# Altium PCB Dashboard C1.PcbDoc
Units mm, origin at the board's own origin, x right, y up, seen from the top; angles counter-clockwise.
Board outline 96.6 x 57.87 mm, 2 copper layers (Top Layer, Bottom Layer); 61 components, 40 nets, 203 pads, 38 vias.
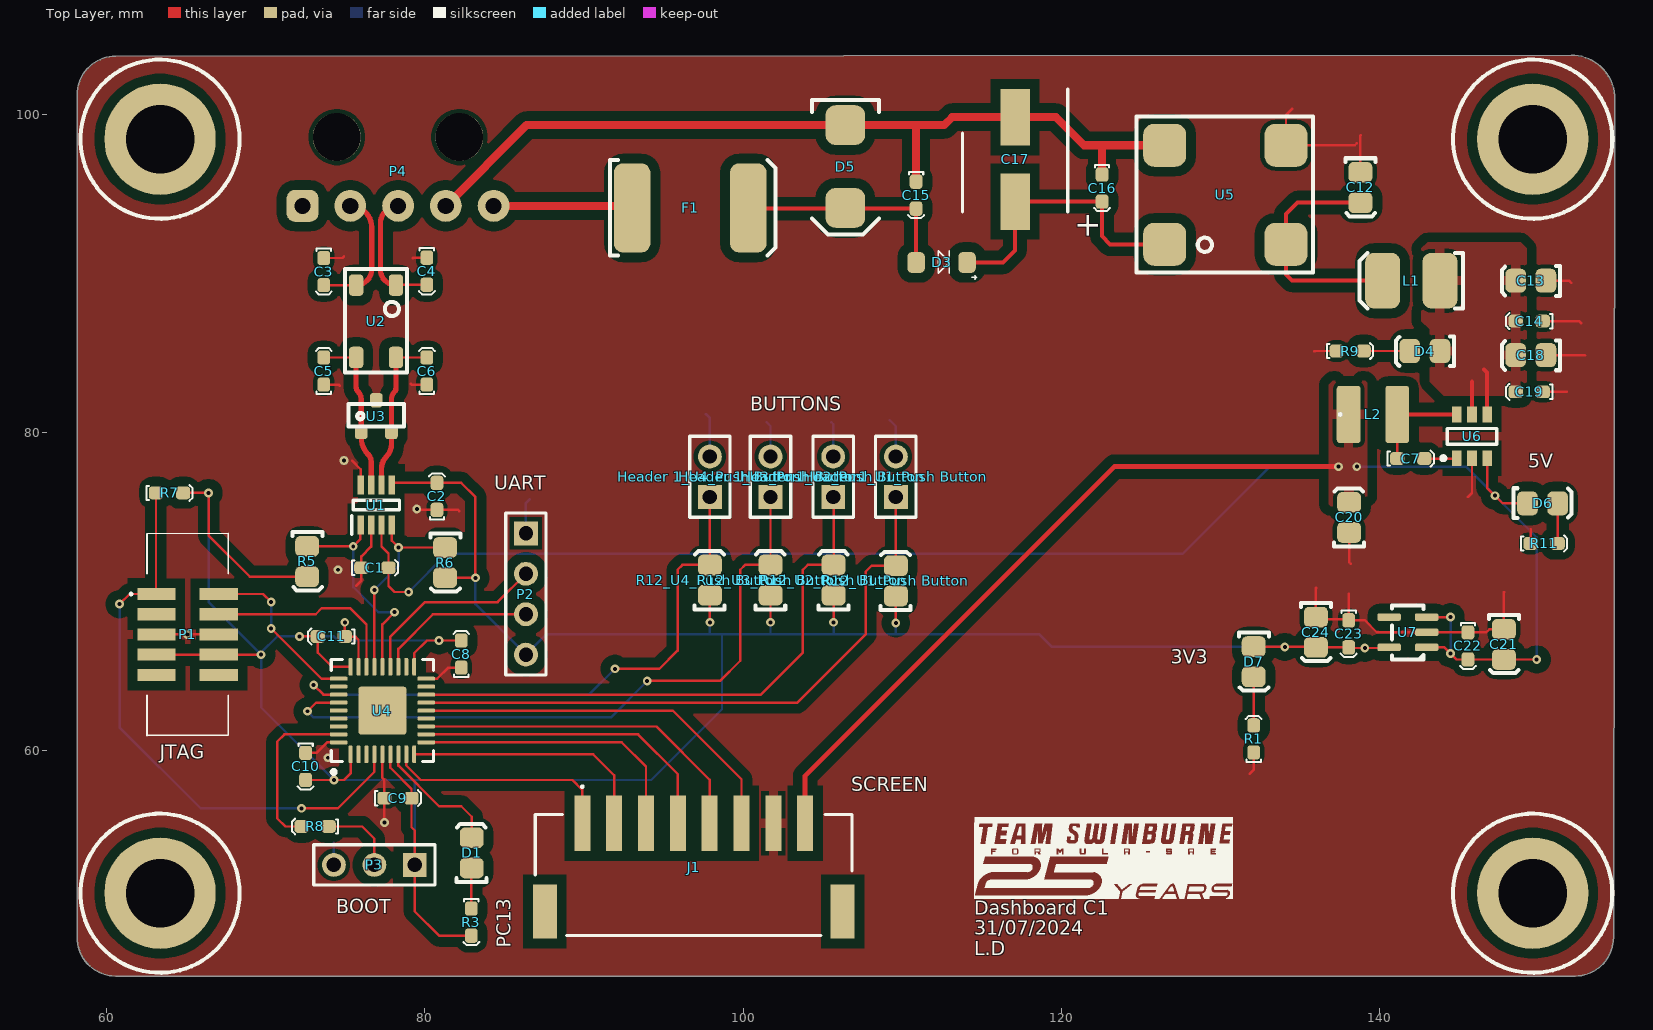
[diagram p0: Top Layer view]
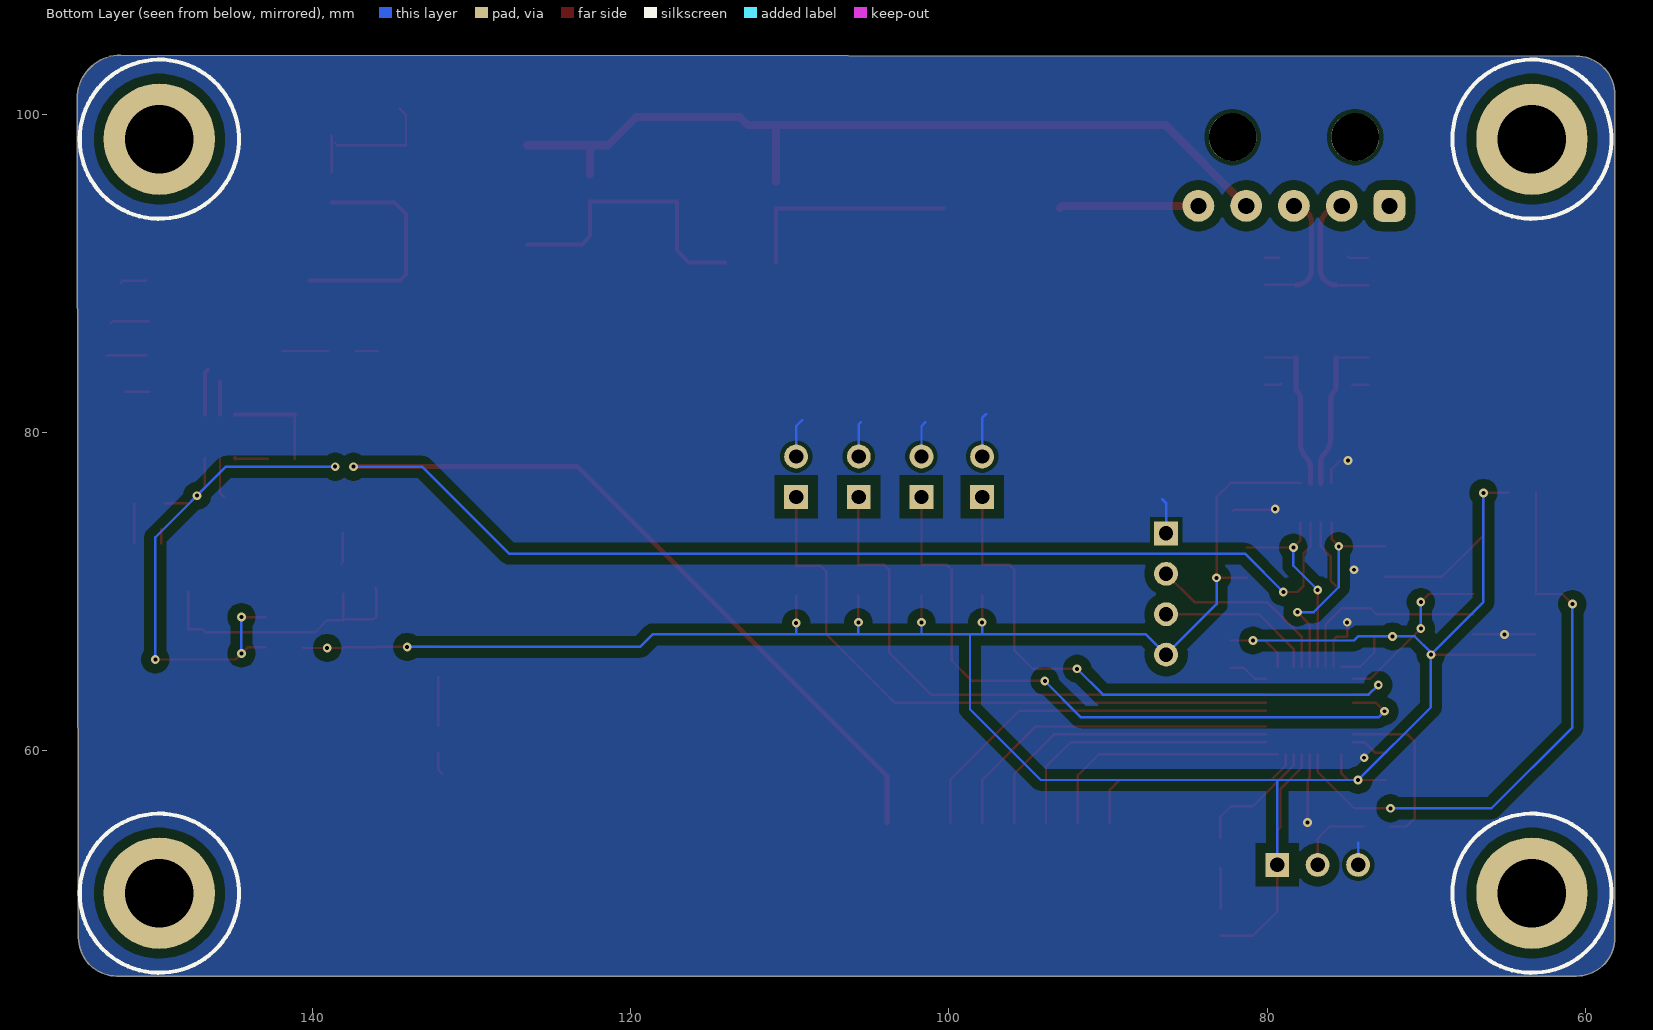
[diagram p1: Bottom Layer view, seen from below]
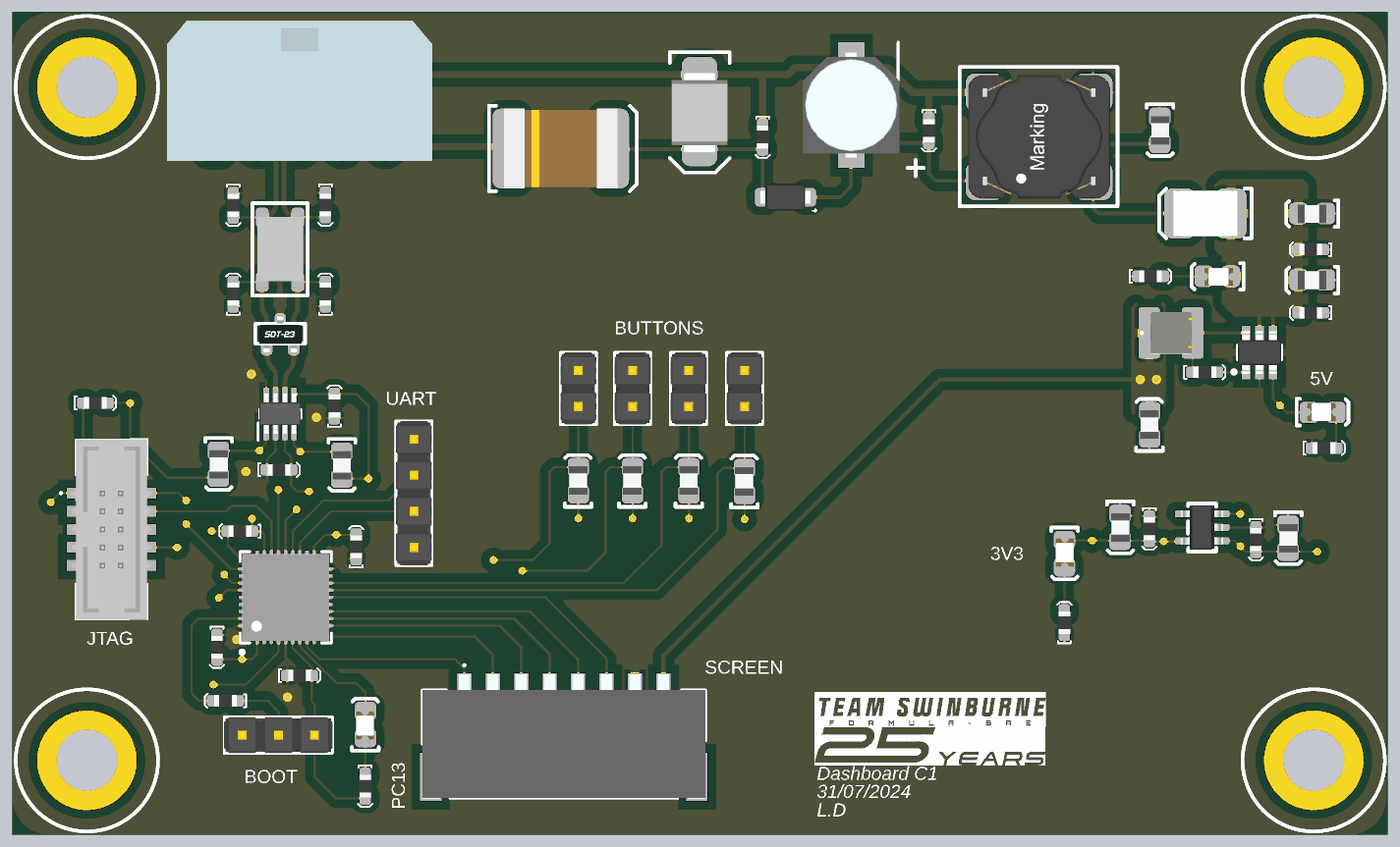
[diagram p2: 3D render of the assembled board from above, using the file's embedded part models]

## Layer stack, top to bottom
Top Solder: solder mask 0.0102, Solder Resist, Dk 3.5
Top Layer: signal copper 0.0356
Dielectric 1: dielectric 0.32, FR-4, Dk 4.8
Bottom Layer: signal copper 0.0356
Bottom Solder: solder mask 0.0102, Solder Resist, Dk 3.5

## Board outline
58.166,48.26 ccw(c60.579,48.26) 60.579,45.847 60.579,45.832 152.273,45.847 ccw(c152.273,48.26) 154.686,48.26 154.77,100.961 ccw(c152.029,100.961) 152.029,103.703 60.579,103.63 60.579,103.632 ccw(c60.579,101.219) 58.166,101.219

## Design rules (kind name [scope] priority, off if disabled: settings)
Clearance [All] p1: gap=0.254 ignorepadtopadclearanceinfootprint=FALSE except(0: Arc-Hole Track-Hole SMDPad-Hole THPad-Hole Via-Hole Fill-Hole Region-Hole Text-Hole; 0.1: THPad-THPad; 0.152: Arc-SMDPad Track-SMDPad SMDPad-SMDPad; 0.2: Arc-THPad Track-THPad SMDPad-THPad THPad-Via; 0.203: Arc-Arc Arc-Track Arc-Region Track-Track Track-Region SMDPad-Region THPad-Region Via-Region Fill-Region Poly-Region Region-Region; 0.6: Arc-Poly Track-Poly SMDPad-Poly THPad-Poly Via-Poly Fill-Poly Poly-Poly)
DiffPairsRouting [All] p1: maxlimit=0.22 minlimit=0.22 mostfreqgap=0.22 toplayer_minwidth=0.33 toplayer_maxwidth=0.33 toplayer_prefwidth=0.33 bottomlayer_minwidth=0.33 bottomlayer_maxwidth=0.33 bottomlayer_prefwidth=0.33 maxuncoupledlength=12.7
Height [All] p1: minheight=0 maxheight=50 prefheight=12.7
HoleSize [All] p1: absolutevalues=TRUE maxlimit=10 minlimit=0.025 maxpercent=80.000 minpercent=20.000
MinimumSolderMaskSliver [All] p1 off: minsoldermaskwidth=0.254
NetAntennae [All] p1 off: netantennaetolerance=0
PlaneClearance [All] p1: clearance=0.4
PlaneConnect [All] p1: pad.planeconnectstyle=Relief pad.reliefexpansion=0.508 pad.reliefentries=4 pad.reliefconductorwidth=0.8 pad.reliefairgap=0.254 via.planeconnectstyle=Direct via.reliefexpansion=0.508 via.reliefentries=4 via.reliefconductorwidth=0.8 via.reliefairgap=0.254
PolygonConnect [All] p1: thpad.connectstyle=Relief thpad.reliefconductorwidth=0.6 thpad.reliefentries=4 thpad.polygonreliefangle="90 Angle" thpad.airgapwidth=0.254 smdpad.connectstyle=Relief smdpad.reliefconductorwidth=0.6 smdpad.reliefentries=4 smdpad.polygonreliefangle="90 Angle" smdpad.airgapwidth=0.254 via.connectstyle=Direct via.reliefconductorwidth=0.6 via.reliefentries=4 via.polygonreliefangle="90 Angle" via.airgapwidth=0.254
RoutingVias [All] p1: holewidth=0.25 width=0.55 viastyle="Through Hole" minholewidth=0.203 minwidth=0.254 maxholewidth=0.711 maxwidth=1.27
SilkToSilkClearance [All] p1 off: silktosilkclearance=0.254
SilkToSolderMaskClearance [IsPad] p1 off: minsilkscreentomaskgap=0.254 clearancetoexposedcopper=TRUE
SolderMaskExpansion [All] p1: expansion=0.051 istentingtop=FALSE
Width [All] p1: maxlimit=3 minlimit=0.127 preferedwidth=0.152 minimp=50.000000 maximp=50.000000 favimp=50.000000
21 further rules are at their usual default settings.

## Classes and differential pairs
channel class "Push Button": "U1_Push Button" "U2_Push Button" "U3_Push Button" "U4_Push Button"
component class U_Microcontroller: C8 C9 C10 C11 D1 P1 P2 P3 R3 R5 R6 R7 R8 U4
component class "U_Driver Board Port": J1
component class "U4_Push Button": "Header 1_U4_Push Button" "R12_U4_Push Button"
component class "U3_Push Button": "Header 1_U3_Push Button" "R12_U3_Push Button"
component class "U2_Push Button": "Header 1_U2_Push Button" "R12_U2_Push Button"
component class "U1_Push Button": "Header 1_U1_Push Button" "R12_U1_Push Button"
component class TopLevel: P4
component class "Power Supply": C7 C12 C13 C14 C15 C16 C17 C18 C19 C20 C21 C22 C23 C24 C? D3 D4 D5 D6 D7 D? F1 L1 L2 R1 R9 R11 R? U5 U6 U7 U?
component class CAN: C1 C2 C3 C4 C5 C6 C? U1 U2 U3 U?
differential pair CANF: +CANF_P -CANF_N
differential pair CAN1: +CAN1_P -CAN1_N

## Components (designator, comment, footprint, x,y, rotation, side; value= is the part's Value field where it differs from the comment)
C1 "100nF" 0603 76.024,71.501 r0 top
C2 "100nF" 0603 80.772,75.135 r90 top
C3 "100pF" 0603 73.66,90.959 r270 top
C4 "100pF" 0603 80.137,90.981 r270 top
C5 "100pF" 0603 73.66,83.009 r90 top
C6 "100pF" 0603 80.137,83.009 r90 top
C7 "100nF" 0603 141.097,78.359 r0 top
C8 "100nF" 0603 82.296,65.229 r90 top
C9 "100nF" 0603 77.47,57.023 r0 top
C10 "100nF" 0603 72.517,59.866 r270 top
C11 "100nF" 0603 74.979,67.183 r180 top
C12 "10uF" 0805 138.811,95.377 r270 top
C13 "10uF" 0805 149.479,89.509 r180 top
C14 "100nF" 0603 150.241,86.995 r180 top
C15 "100nF" 0603 110.871,95.758 r270 top
C16 "100nF" 0603 122.555,96.205 r270 top
C17 "47uF" "CHEMI-CON ELCO" 117.094,97.155 r270 top
C18 "2.2uF" 0805 149.479,84.836 r180 top
C19 "100nF" 0603 150.241,82.55 r180 top
C20 "10uF" 0805 138.049,74.676 r90 top
C21 "1µF" 0805 147.828,66.675 r270 top
C22 "100nF" 0603 145.542,67.437 r270 top
C23 "100nF" 0603 138.049,68.199 r270 top
C24 "1µF" 0805 136.017,67.437 r270 top
D1 "Yellow" "0805 LED" 82.931,53.594 r90 top
D3 "PMEG100T10ELR-QX" "NXP SOD123W" 112.471,90.678 r180 top
D4 "Red" "0805 LED" 142.824,85.09 r180 top
D5 "SM6T36CAY" "ST SMB DIODE" 106.426,96.707 r90 top
D6 "Red" "0805 LED" 150.241,75.565 r0 top
D7 "Red" "0805 LED" 132.106,65.586 r270 top
F1 "0ZCF0100AF2A" 2920 93.03,94.107 r0 top
"Header 1_U1_Push Button" "2.54mm" "TH 2.54mm Header 1x2" 109.601,75.946 r90 top (schematic designator "Header 1")
"Header 1_U2_Push Button" "2.54mm" "TH 2.54mm Header 1x2" 105.664,75.946 r90 top (schematic designator "Header 1")
"Header 1_U3_Push Button" "2.54mm" "TH 2.54mm Header 1x2" 101.727,75.946 r90 top (schematic designator "Header 1")
"Header 1_U4_Push Button" "2.54mm" "TH 2.54mm Header 1x2" 97.917,75.946 r90 top (schematic designator "Header 1")
J1 "S8B-PH-SM4-TB" S8BPHSM4TB 96.901,52.197 r180 top
L1 "12uH" 1812 141.986,89.535 r180 top
L2 "4.7uH" SRN3015TA-4R7M 139.573,81.131 r0 top
P1 "1.27mm" 3221-10-0300-00 65.106,67.31 r270 top
P2 "2.54mm" "TH 2.54mm Header 1x4" 86.36,73.66 r270 top
P3 "2.54mm" "TH 2.54mm Header 1x3" 79.375,52.832 r180 top
P4 "436500500" 436500500 72.328,94.234 r180 top
R1 "2K" 0603 132.08,59.895 r90 top
R3 "500R" 0603 82.931,50.087 r270 top
R5 "5.1k" 0805 72.644,71.882 r270 top
R6 "5.1k" 0805 81.306,71.809 r270 top
R7 "10k" 0603 63.119,76.2 r0 top
R8 "10k" 0603 73.963,55.245 r180 top
R9 "20K" 0603 137.287,85.116 r0 top
R11 "2K" 0603 149.479,73.025 r0 top
"R12_U1_Push Button" "1k" 0805 109.575,70.69 r90 top (schematic designator R12)
"R12_U2_Push Button" "1k" 0805 105.664,70.739 r90 top (schematic designator R12)
"R12_U3_Push Button" "1k" 0805 101.701,70.739 r90 top (schematic designator R12)
"R12_U4_Push Button" "1k" 0805 97.891,70.739 r90 top (schematic designator R12)
U1 "TCAN1044AVDDFRQ1" SOT65P280X110-8N 76.962,75.438 r90 top
U2 "B82787C0104H002" "TDK 4-PC Pad" 78.192,89.259 r270 top value="100µH @ 100kHz"
U3 "NUP2105L" "ON SOT-23" 76.962,81.026 r0 top
U4 "STM32F103T8U6" STM_QFN-36 77.343,62.528 r90 top
U5 "744272121" "Wurth 4-PC Pad" 134.112,98.041 r180 top value="120uH @ 100kHz"
U6 "LMR50410Y5FQDBVRQ1" TI-SOT23-6 145.796,79.756 r90 top
U7 "TLV70033-Q1" "TI SOT-23-5" 142.951,66.499 r90 top

## Footprints (in the part's own frame and the unit in brackets; to place one, negate y for a bottom-side part, rotate by r counter-clockwise, add the part's x,y. Pads: shape width x height; smd on the part's side, far side on the other; paste and mask are expansions set on the pad)
0603 [mm]
  rrect50% 0.9x0.8 smd: 1(0,0) 2(1.7,0)
  silkscreen extent -0.6,-0.5 2.3,0.5, body extent 0.05,-0.42 1.65,0.43, height 0.6
0805 [mm]
  rrect50% 1.3x1.5 smd: 1(-0.962,-0.026) 2(0.938,-0.026)
  silkscreen extent -1.85,-0.95 1.8,0.93, body extent -1,-0.65 1,0.66, height 0.73
"0805 LED" [mm]
  rrect50% 1.3x1.5 smd: A(-0.962,-0.026) K(0.938,-0.026)
  silkscreen extent -1.85,-0.95 1.8,0.93, body extent -1.09,-0.63 0.91,0.62, height 1
1812 [mm]
  rrect50% 2.2x3.5 smd: 1(-1.8,0) 2(1.8,0)
  silkscreen extent -3.25,-1.75 3.25,1.75, body extent -2.25,-1.6 2.25,1.6, height 2.5
2920 [mm]
  rrect50% 2.3x5.6 smd: 1(0,0) 2(7.3,0)
  silkscreen extent -1.4,-3 9,3, body extent -0.34,-2.81 7.64,2.81, height 1.14
3221-10-0300-00 [mm]
  rect 0.76x2.4 smd: 1(-2.54,-1.95) 2(-2.54,1.95) 3(-1.27,-1.95) 4(-1.27,1.95) 5(0,-1.95) 6(0,1.95) 7(1.27,-1.95) 8(1.27,1.95) 9(2.54,-1.95) 10(2.54,1.95)
  silkscreen extent -6.35,-3.6 6.35,2.55, body extent -6.34,-2.8 6.36,2.8, height 5.25
436500500 [mm]
  rrect50% 2x2 hole 1.02 paste-2539.97: 1(0,0)
  round 2 hole 1.02 paste-2539.97: 2(-3,0) 3(-6,0) 4(-9,0) 5(-12,0)
  round 3 hole 3 unplated: PEG(-9.85,-4.32) PEG(-2.15,-4.32)
  body extent -15.32,-8.88 3.32,1.02, height 5.06
"CHEMI-CON ELCO" [mm]
  rect 3.55x1.85 smd: 1(-2.65,0) 2(2.65,0)
  silkscreen extent -4.43,-3.3 3.3,3.3, body extent -3.7,-3.4 3.7,3.4, height 6.1
"NXP SOD123W" [mm]
  rrect50% 1.1x1.3 smd: A(1.6,0) K(-1.6,0)
  silkscreen extent -2.2,-0.73 0.2,1.04, body extent -1.75,-0.95 1.75,0.95, height 1.1
"ON SOT-23" [mm] "NUP2105L"
  rrect50% 0.8x0.9 smd: 1(-0.95,-1) 2(0.95,-1) 3(0,1)
  silkscreen extent -1.75,-0.65 1.75,0.75, body extent -1.5,-1.27 1.5,1.28, height 1
S8BPHSM4TB [mm]
  rect 1x3.5 smd: 1(7,-3.25) 2(5,-3.25) 3(3,-3.25) 4(1,-3.25) 5(-1,-3.25) 6(-3,-3.25) 7(-5,-3.25) 8(-7,-3.25)
  rect 1.5x3.4 smd: MP1(9.35,2.3) MP2(-9.35,2.3)
  silkscreen extent -9.95,-5.6 9.95,3.8, body extent -9.95,-4.9 9.95,3.85, height 5.6
SOT65P280X110-8N [mm]
  rect 1.2x0.4 smd: 1(-1.25,0.975) 2(-1.25,0.325) 3(-1.25,-0.325) 4(-1.25,-0.975) 5(1.25,-0.975) 6(1.25,-0.325) 7(1.25,0.325) 8(1.25,0.975)
  silkscreen extent -1.85,-1.45 0.3,1.55, body extent -1.41,-1.45 1.41,1.45, height 0.9
SRN3015TA-4R7M [mm]
  rrect25% 1.5x3.6 smd: 1(-1.525,0) 2(1.525,0)
  silkscreen extent -2.1,-0.05 -2,0.05, body extent -1.46,-1.47 1.61,1.47, height 1.4
"ST SMB DIODE" [mm]
  rrect50% 2.5x2.5 smd: A(2.6,0) K(-2.6,0)
  silkscreen extent -4.28,-2.12 4.17,2.08, body extent -2.88,-1.99 2.71,1.95, height 2.5
STM_QFN-36 [mm]
  rrect50% 1.1x0.25 smd: 1(-2.75,2) 2(-2.75,1.5) 3(-2.75,1) 4(-2.75,0.5) 5(-2.75,0) 6(-2.75,-0.5) 7(-2.75,-1) 8(-2.75,-1.5) 9(-2.75,-2) 19(2.75,-2) 20(2.75,-1.5) 21(2.75,-1) 22(2.75,-0.5) 23(2.75,0) 24(2.75,0.5) 25(2.75,1) 26(2.75,1.5) 27(2.75,2)
  rrect50% 0.25x1.1 smd: 10(-2,-2.75) 11(-1.5,-2.75) 12(-1,-2.75) 13(-0.5,-2.75) 14(0,-2.75) 15(0.5,-2.75) 16(1,-2.75) 17(1.5,-2.75) 18(2,-2.75) 28(2,2.75) 29(1.5,2.75) 30(1,2.75) 31(0.5,2.75) 32(0,2.75) 33(-0.5,2.75) 34(-1,2.75) 35(-1.5,2.75) 36(-2,2.75)
  rrect10% 3x3 smd: 37(0,0)
  silkscreen extent -3.98,-3.21 3.21,3.21, body extent -3.08,-3.08 3.08,3.08, height 1
"TDK 4-PC Pad" [mm]
  rrect50% 1.35x0.9 smd: 1(0,-2.5) 2(0,0) 3(4.55,0) 4(4.55,-2.5)
  silkscreen extent -1,-3.2 5.5,0.7, body extent -0.02,-2.82 4.48,0.38, height 2.8
"TH 2.54mm Header 1x2" [mm]
  rect 1.5x1.5 hole 0.9: 1(0,0)
  round 1.5 hole 0.9: 2(2.54,0)
  silkscreen extent -1.27,-1.27 3.81,1.27, body extent -1.27,-1.27 3.81,1.27, height 9.5
"TH 2.54mm Header 1x3" [mm]
  rect 1.5x1.5 hole 0.9: 1(0,0)
  round 1.5 hole 0.9: 2(2.54,0) 3(5.08,0)
  silkscreen extent -1.27,-1.27 6.35,1.27, body extent -1.27,-1.27 6.35,1.27, height 9.5
"TH 2.54mm Header 1x4" [mm]
  rect 1.5x1.5 hole 0.9: 1(0,0)
  round 1.5 hole 0.9: 2(2.54,0) 3(5.08,0) 4(7.62,0)
  silkscreen extent -1.27,-1.27 8.89,1.27, body extent -1.27,-1.27 8.89,1.27, height 9.5
"TI SOT-23-5" [mil]
  rrect50% 19x58 smd: 1(0,0) 2(37.4,0) 3(74.8,0) 4(74.8,93) 5(0,93)
  silkscreen extent -30,8 103,86, body extent -23,-12 97,106, height 57
TI-SOT23-6 [mm]
  rect 1x0.6 smd: 1(-1.375,0.95) 2(-1.375,0) 3(-1.375,-0.95) 4(1.375,-0.95) 5(1.375,0) 6(1.375,0.95)
  silkscreen extent -1.5,-1.55 0.5,1.92, body extent -1.5,-1.53 1.5,1.53, height 1.45
"Wurth 4-PC Pad" [mm]
  rrect50% 2.7x2.7 smd: 1(7.62,6.22) 2(0,6.22) 3(0,0) 4(7.62,0)
  silkscreen extent -1.7,-1.8 9.4,8, body extent -1.19,-1.24 8.81,7.46, height 6.2

## Part data
C1 C2 C7 C8 C9 C10 C11 C14 C15 C16 C19 C22 C23: library part GCM188L81H104KA57D, Digikey Part Number=490-6049-1-ND, Manufacturer=muRata, Rated Voltage=50V, Temperature Rating=X8L, Tolerance=±10%, Material=MLCC, Part Number=GCM188L81H104KA57D
C3 C4 C5 C6: library part GRM1885C1H101JA01D, Digikey Part Number=490-1427-1-ND, Manufacturer="Murata Electronics", Rated Voltage=50V, Temperature Rating="C0G, NP0", Tolerance=±5%, Material=MLCC, Part Number=GRM1885C1H101JA01D
C12 C13 C20: library part GRM21BR6YA106KE43L, Digikey Part Number=490-10514-6-ND, Manufacturer=muRata, Rated Voltage=50V, Temperature Rating=X5R, Tolerance=10%, Material=MLCC, Part Number=GRM21BR6YA106KE43L
C17: library part HHXA350ARA470MF61G, Part Number=HHXA350ARA470MF61G
C18: library part GRM21BR71E225KE11L, Digikey Part Number=490-14467-2-ND, Manufacturer="Murata Electronics", Rated Voltage=25V, Temperature Rating=X7R, Tolerance=±10%, Material=MLCC, Part Number=GRM21BR71E225KE11L
C21 C24: library part GCM21BR71H105KA03L, Digikey Part Number=490-10675-1-ND, Manufacturer=muRata, Rated Voltage=50V, Temperature Rating=X7R, Tolerance=±10%, Material=MLCC, Part Number=GCM21BR71H105KA03L
D1: library part SML-211YTT86, "Yellow LED Indication - Discrete 1.75V 0805 (2012 Metric)", Digikey Part Number=511-1293-1-ND, Manufacturer="ROHM Semiconductor", Colour=Yellow, Part Number=SML-211YTT86
D3: Breakdown Voltage="100 V", Digikey Part Number=1727-PMEG100T10ELR-QXCT-ND, Forward Voltage="0.75 V @ 1A", Manufacturer="Nexperia USA Inc.", Rated Power="680 mW", Part Number=PMEG100T10ELR-QX
D4 D6 D7: library part SML-210LTT86, "Red LED Indication - Discrete 1.75V 0805 (2012 Metric)", Digikey Part Number=511-1286-1-ND, Manufacturer="ROHM Semiconductor", Colour=Red, Part Number=SML-210LTT86
D5: Breakdown Voltage="30.8 V", Digikey Part Number=497-10804-1-ND, Manufacturer=STMicroelectronics, Rated Power=600W, Forward Voltage="30.8 V", Part Number=SM6T36CAY
F1: "PTC RESET FUSE 60V 1A 292", Digikey Part Number=507-2070-1-ND, Manufacturer="Littelfuse Inc.", Digikey Link=https://www.digikey.com/product-detail/en/bel-fuse-inc/0ZCF0100AF2A/507-2070-1-ND/6210547, Part Number=0ZCF0100AF2A
"Header 1_U1_Push Button" "Header 1_U2_Push Button" "Header 1_U3_Push Button" "Header 1_U4_Push Button": library part "TH 2.54mm Header 1x2", Angle=0, Contact=NA, Flange=No, Part Number="TH 2.54mm Header 1x2", Pitch=2.54mm, Positions=2, Row Spacing=2.54mm
J1: "Connector", Manufacturer_Name="JST (JAPAN SOLDERLESS TERMINALS)", Height=5.5mm, Manufacturer_Part_Number=S8B-PH-SM4-TB
L1: library part RLS-126, Digikey Part Number=945-3429-ND, Manufacturer=Recom, Rated Current=800mA, Tolerance=0.2, Impedence=230mOhm, Material=Wirewound, Part Number=RLS-126
L2: library part SRN4018-4R7M, Digikey Part Number=SRN3015TA-4R7MCT-ND, Manufacturer=Bourns, Rated Current=1.9A, Tolerance=0.2, Impedance=84mOhms, Material=Wirewound, Part Number=SRN4018-4R7M
P1: library part "SMD 1.27mm Header 2x5 (3221-10-0300-00)", Angle=0, Contact=NA, Flange=No, Part Number="SMD 1.27mm Header 2x5 (3221-10-0300-00)", Pitch=1.27mm, Positions=10, Row Spacing=1.27mm
P2: library part "TH 2.54mm Header 1x4", Angle=0, Contact=NA, Flange=No, Part Number="TH 2.54mm Header 1x4", Pitch=2.54mm, Positions=4, Row Spacing=2.54mm
P3: library part "TH 2.54mm Header 1x3", Angle=0, Contact=NA, Flange=No, Part Number="TH 2.54mm Header 1x3", Pitch=2.54mm, Positions=3, Row Spacing=2.54mm
P4: "Micro-Fit 5x1", Digikey Part Number=WM1863-ND, Angle=90, Contact=Tin, Digikey Link=https://www.digikey.com.au/en/products/detail/molex/0436500500/268992, Flange=No, Part Number=436500500, Pitch=3.0mm, Positions=5, Row Spacing=3.0mm
R1 R11: library part RC0603FR-072KL, Digikey Part Number=311-2.00KHRCT-ND, Manufacturer=YAGEO, Rated Power=0.1W, Tolerance=0.01, Material=FR-07, Part Number=RC0603FR-072KL
R3: library part RT0603BRD07500RL, Digikey Part Number=13-RT0603BRD07500RL-ND, Manufacturer=YAGEO, Rated Power=0.1W, Tolerance=0.01, Material=FR-07, Part Number=RT0603BRD07500RL
R5 R6: library part RC0805FR075K1L, Digikey Part Number=311-5.10KCRCT-ND, Manufacturer=YAGEO, Rated Power=0.125W, Tolerance=0.01, Material=FR-07, Part Number=RC0805FR075K1L
R7 R8: library part RC0603FR-0710KL, Digikey Part Number=311-10.0KHRCT-ND, Manufacturer=YAGEO, Rated Power=0.1W, Tolerance=0.01, Material=FR-07, Part Number=RC0603FR-0710KL
R9: library part RC0603FR-0720KL, Digikey Part Number=311-20.0KHRCT-ND, Manufacturer=YAGEO, Rated Power=0.1W, Tolerance=0.01, Material=FR-07, Part Number=RC0603FR-0720KL
"R12_U1_Push Button" "R12_U2_Push Button" "R12_U3_Push Button" "R12_U4_Push Button": library part RC0805FR071KL, Digikey Part Number=311-1.00KCRCT-ND, Manufacturer=YAGEO, Rated Voltage=0.125W, Tolerance=0.01, Material=FR-07, Part Number=RC0805FR071KL
U1: "Integrated Circuit", Manufacturer_Name="Texas Instruments", Mouser Part Number=595-TCAN1044AVDDFRQ1, Arrow Part Number=TCAN1044AVDDFRQ1, Arrow Price/Stock=https://www.arrow.com/en/products/tcan1044avddfrq1/texas-instruments?region=nac, Datasheet Link=https://www.ti.com/lit/gpn/tcan1044av-q1, Height=1.1mm, Manufacturer_Part_Number=TCAN1044AVDDFRQ1, Mouser Price/Stock=https://www.mouser.co.uk/ProductDetail/Texas-Instruments/TCAN1044AVDDFRQ1?qs=7D1LtPJG0i2h5Rps6Zy%2FQg%3D%3D
U2: Digikey Part Number=495-4598-1-ND, Manufacturer="EPCOS (TDK)", Rated Current=150mA, Impedance="5.8 kOhms @ 10MHz", Material=Wirewound, Part Number=B82787C0104H002
U3: "Dual Line CAN Bus Protector", Digikey Part Number=NUP2105LT1GOSCT-ND, Manufacturer="ON Semiconductor", Digikey Link=https://www.digikey.com/product-detail/en/on-semiconductor/NUP2105LT1G/NUP2105LT1GOSCT-ND/1485001, Part Number=NUP2105L
U4: "ARM® Cortex®-M3 STM32F1 Microcontroller IC 32-Bit 72MHz 64KB (64K x 8) FLASH QFN", Manufacturer="ST Microelectronics", Digikey Link=https://www.digikey.com/en/products/detail/stmicroelectronics/stm32f103t8u6/1852493, Digikey Part Number=STM32F103T8U6, Part Number=STM32F103T8U6
U5: Digikey Part Number=732-1489-1-ND, Manufacturer="Wurth Electronics Inc", Rated Current="2.5 A", Impedance="460 Ohms @ 30MHz", Material=Wirewound, Part Number=744272121
U6: library part LMR50410-Q1, "IC REG BUCK 5V 1A SOT23-6", Digikey Part Number=296-LMR50410Y5FQDBVRQ1CT-ND, Input Voltage=4-36V, Manufacturer="Texas Instruments", Output Current=1A, Output Voltage=5V, Part Number=LMR50410-Q1
U7: "IC REG LINEAR 3.3V 200MA SOT23-5", Digikey Part Number=296-27780-1-ND, Input Voltage="2 to 5.5 V", Manufacturer="Texas Instruments", Output Current="0.2 A", Output Voltage="3.3 V", Part Number=TLV70033-Q1

## Free pads (board coordinates)
  round 7 hole 4.3 unplated: 2(63.373,51.054) 2(63.373,98.425) 2(149.606,51.054) 2(149.606,98.425)

## Via types
v1: diameter 0.55, hole 0.25, Top Layer to Bottom Layer, 38 vias

## Nets (pads, with @x,y where several pads share a name; then routed paths per layer and width w, separated by ;. In a path a pad name is that pad's centre, name@x,y a point inside that pad or via, vN(x,y) a via of type N, cw(c..) or ccw(c..) an arc to the next point about the centre after c; other vN are vias at no path point)
0V: "Header 1_U1_Push Button.2" "Header 1_U2_Push Button.2" "Header 1_U3_Push Button.2" "Header 1_U4_Push Button.2" C1.1 C2.1 C3.1 C4.1 C5.1 C6.1 C8.1 C9.1 C10.1 C11.1 C12.1 C13.1 C14.1 C18.1 C19.1 C20.1 C21.1 C22.1 C23.1 C24.1 J1.7 P1.5 P1.6 P2.1 P3.3 R1.1 R9.1 R11.1 U1.2 U1.8 U3.3 U4.5 U4.18 U4.26 U4.36 U5.3 U6.2 U7.2 | length 86.8
  Top Layer w0.152: P1.5 P1.6 ; C10.1 73.201,59.866 73.863,60.528 U4.36 ; C5.1 74.598,83.009 74.676,82.931 ; C3.1 74.83,90.959 74.93,91.059 ; v1(74.979,68.072) C11.1 75.01,67.152 75.658,67.152 75.843,66.967 U4.26 ; 75.438,78.232 75.987,77.683 U1.8@75.987,76.815 ; 75.692,70.358 76.024,70.69 C1.1 76.024,72.214 76.637,72.827 U1.2@76.637,74.315 ; U4.5 77.343,58.293 77.47,58.166 v1(77.47,55.499) ; 79.121,83.058 79.17,83.009 C6.1 ; 79.248,90.932 79.297,90.981 C4.1 ; v1(79.502,75.184) 79.551,75.135 C2.1 82.091,75.135 82.169,75.057 ; U4.18 80.784,64.528 81.485,65.229 C8.1 ; 131.826,58.547 132.08,58.801 R1.1 ; 134.493,100.33 134.112,99.949 U5.3 138.427,98.041 138.557,98.171 ; 135.89,85.09 135.916,85.116 R9.1 ; 136.017,70.231 135.991,70.205 C24.1 136.128,68.262 137.987,68.262 C23.1 ; 138.049,69.87 C23.1 ; C20.1 138.075,71.856 138.176,71.755 ; C12.1 138.785,98.653 138.811,98.679 ; 145.542,75.946 145.796,76.2 U6.2 ; 147.828,69.977 147.802,69.951 C21.1 146.885,67.637 146.685,67.437 C22.1 142.963,67.437 U7.2 139.815,67.449 139.065,68.199 C23.1 ; R11.1 149.479,73.914 ; C19.1 151.765,82.55 ; C14.1 152.527,86.995 152.654,86.868 ; C18.1 152.882,84.862 152.908,84.836 ; C13.1 151.892,89.535 152.019,89.408
  Bottom Layer w0.152: P3.3 74.295,54.229 ; P2.1 86.36,75.565 86.614,75.819 ; 97.663,81.153 97.917,80.899 97.917,78.486 ; 101.473,80.645 101.727,80.391 101.727,78.486 ; 105.537,80.645 105.664,80.518 105.664,78.486 ; 109.22,80.772 109.601,80.391 109.601,78.486
  other v1: 73.914,59.563 65.106,67.31 74.549,71.374 74.93,78.232
3V3: "R12_U1_Push Button.1" "R12_U2_Push Button.1" "R12_U3_Push Button.1" "R12_U4_Push Button.1" C2.2 C8.2 C9.2 C10.2 C11.2 C23.2 C24.2 D7.A P1.7 P1.8 P2.4 P3.1 R3.2 R5.2 R6.2 R7.2 U1.5 U4.1 U4.6 U4.19 U4.27 U7.5 | length 200.7
  Top Layer w0.152: P1.7 P1.8 v1(69.723,66.04) ; R7.2 v1(66.421,76.2) 66.421,73.533 69.01,70.944 R5.2 ; v1(72.136,67.183) C11.2 73.279,66.167 74.168,65.278 U4.27 ; C10.2 74.93,58.166 75.343,58.579 U4.1 ; U4.6 77.843,58.936 79.17,57.609 79.17,55.196 79.375,54.991 P3.1 79.375,49.911 80.899,48.387 R3.2 ; U1.5@77.937,76.815 77.957,76.835 C2.2 82.296,76.835 83.185,75.946 v1(83.185,70.866) 81.285,70.866 R6.2 ; U4.19 79.343,66.135 80.137,66.929 v1(80.899,66.929) C8.2 ; v1(97.917,68.072) 97.917,69.777 ; v1(101.727,68.072) 101.727,69.777 ; v1(105.69,68.072) 105.69,69.777 ; v1(109.601,68.023) 109.601,69.728 ; D7.A 132.104,66.524 v1(134.035,66.524) 135.966,66.524 C24.2 C23.2 C23.2@138.127,66.421 ; C23.2@138.127,66.46 v1(139.065,66.46) ; v1@139.065,66.421 139.104,66.46 140.55,66.46 U7.5
  Bottom Layer w0.152: v1(66.421,76.2) 66.421,69.342 v1(69.723,66.04) ; P3.1 79.375,58.166 ; v1(80.899,66.929) 74.549,66.929 74.295,67.183 v1(72.136,67.183) 70.739,67.183 69.723,66.167 v1(69.723,66.04) ; v1(83.185,70.866) 83.185,69.215 P2.4 87.63,67.31 97.917,67.31 ; v1(97.917,68.072) 97.917,67.31 ; v1(101.727,68.072) 101.727,67.31 ; 105.69,67.411 v1(105.69,68.072) ; v1(109.601,68.023) 109.601,67.31 ; v1(134.035,66.524) 119.404,66.524 118.618,67.31 109.601,67.31 ; v1(69.723,66.04) 69.723,62.738 v1(74.295,58.166) 79.375,58.166 ; 79.375,58.166 94.234,58.166 98.679,62.611 98.679,67.31 ; 97.917,67.31 98.679,67.31 ; 98.679,67.31 101.727,67.31 ; 101.727,67.31 109.601,67.31
5V: C1.2 C20.2 C21.2 C22.2 D6.A J1.8 L2.1 U1.3 U6.3 U7.1 U7.3 | length 148.3
  Top Layer w0.152: U1.3@77.287,74.315 77.287,72.827 77.724,72.39 C1.2 77.724,70.358 78.105,69.977 v1(78.994,69.977) ; U7.1 144.067,66.499 144.829,65.737 C22.2 C21.2 v1(149.86,65.737) ; U7.3 v1@144.345,68.399 ; U6.3 146.746,76.52 147.727,75.539 D6.A
  Top Layer w0.305: J1.8 103.901,58.435 123.317,77.851 v1(137.414,77.851)
  Bottom Layer w0.152: v1(78.994,69.977) 81.407,72.39 127.635,72.39 133.096,77.851 v1(137.414,77.851) ; v1(138.557,77.851) 145.415,77.851 149.86,73.406 v1(149.86,65.737) ; v1(144.448,66.118) v1(144.448,68.399)
  other v1: 147.237,76.029
BOOT0: P3.2 R8.1 | length 4.8
  Top Layer w0.152: R8.1 76.073,55.245 76.835,54.483 P3.2
CAN1_N: C4.2 P4.3 U2.2 | length 8.1
  Top Layer w0.152: U2.2@78.192,89.281 C4.2
  Top Layer w0.33: U2.2 cw(c78.192,90.234) 77.217,90.234 77.217,93.123 cw(c78.328,93.123) P4.3
CAN1_P: C3.2 P4.2 U2.1 | length 8.3
  Top Layer w0.152: C3.2 U2.1
  Top Layer w0.33: P4.2 cw(c75.328,92.895) 76.667,92.895 76.667,90.234 cw(c75.692,90.234) U2.1
CAN_TX_INDC: U4.34
CANF_N: C6.2 U1.6 U2.3 U3.2 | length 10.1
  Top Layer w0.152: U2.3 C6.2
  Top Layer w0.33: U1.6@77.287,76.815 77.287,77.738 cw(c78.345,77.738) 77.597,78.486 ccw(c76.837,79.246) 77.912,79.246 U3.2 77.912,82.084 cw(c78.571,82.084) 78.105,82.55 ccw(c77.895,82.76) 78.192,82.76 U2.3
CANF_P: C5.2 U1.7 U2.4 U3.1 | length 10.2
  Top Layer w0.152: C5.2 U2.4
  Top Layer w0.33: U2.4 75.692,82.857 ccw(c76.126,82.857) 75.819,82.55 cw(c75.353,82.084) 76.012,82.084 U3.1 76.012,79.68 ccw(c77.521,79.68) 76.454,78.613 cw(c76.012,78.171) 76.637,78.171 U1.7@76.637,76.815
GLV+: F1.1 P4.5 | length 8.8
  Top Layer w0.508: P4.5 92.903,94.234 F1.1
GLV-: C15.1 C16.1 C17.1 D5.A P4.4 U5.4 | length 53.6
  Top Layer w0.508: P4.4 86.401,99.307 D5.A 110.744,99.307 ; C15.1 110.871,99.18 110.744,99.307 ; C16.1 122.555,98.041 ; U5.4 122.555,98.041 ; 110.744,99.307 112.642,99.307 113.14,99.805 C17.1 119.651,99.805 121.415,98.041 122.555,98.041
HB: D1.K U4.7 | length 8
  Top Layer w0.152: U4.7 78.343,59.071 80.899,56.515 82.296,56.515 82.957,55.854 D1.K
NetC7_1: C7.1 L2.2 U6.6 | length 6.5
  Top Layer w0.152: C7.1 L2.2
  Top Layer w0.254: L2.2 L2.2 U6.6
NetC7_2: C7.2 U6.1 | length 2.1
  Top Layer w0.152: C7.2 U6.1@144.824,78.359
  Top Layer w0.254: U6.1@144.824,78.359 U6.1
NetC12_2: C12.2 L1.2 U5.2 | length 15
  Top Layer w0.254: C12.2 134.825,94.439 134.112,93.726 U5.2 134.112,89.916 134.493,89.535 L1.2
NetC15_2: C15.2 D3.A D5.K F1.2 | length 13.9
  Top Layer w0.254: F1.2 100.379,94.058 C15.2 D3.A
NetD1_A: D1.A R3.1 | length 2.6
  Top Layer w0.152: R3.1 82.931,52.606 D1.A
NetD4_K: D4.K R9.2 | length 2.9
  Top Layer w0.152: R9.2 D4.K
NetD6_K: D6.K R11.2 | length 2.5
  Top Layer w0.152: R11.2 D6.K
NetD7_K: D7.K R1.2 | length 3.1
  Top Layer w0.152: R1.2 D7.K
"NetHeader 1_U1_Push Button_1": "Header 1_U1_Push Button.1" "R12_U1_Push Button.2" U4.15 | length 39.7
  Top Layer w0.152: U4.15 103.414,63.028 107.696,67.31 107.696,71.247 108.077,71.628 109.601,71.628 109.601,75.946
"NetHeader 1_U2_Push Button_1": "Header 1_U2_Push Button.1" "R12_U2_Push Button.2" U4.16 | length 36.3
  Top Layer w0.152: U4.16 101.12,63.528 103.759,66.167 103.759,71.374 104.062,71.677 105.69,71.677 105.69,75.92 105.664,75.946
"NetHeader 1_U3_Push Button_1": "Header 1_U3_Push Button.1" "R12_U3_Push Button.2" U4.31 | length 43
  Top Layer w0.152: v1(72.644,62.484) 73.188,63.028 U4.31 ; v1(93.98,64.389) 98.552,64.389 99.822,65.659 99.822,71.374 100.125,71.677 101.727,71.677 101.727,75.946
  Bottom Layer w0.152: v1(72.644,62.484) 73.025,62.103 91.694,62.103 v1(93.98,64.389)
"NetHeader 1_U4_Push Button_1": "Header 1_U4_Push Button.1" "R12_U4_Push Button.2" U4.30 | length 37.6
  Top Layer w0.152: v1(73.025,64.135) 73.632,63.528 U4.30 ; v1(91.948,65.151) 94.742,65.151 95.885,66.294 95.885,71.374 96.188,71.677 97.917,71.677 97.917,75.946
  Bottom Layer w0.152: v1(73.025,64.135) 73.632,63.528 90.325,63.528 v1(91.948,65.151)
NetJ1_1: J1.1 U4.8 | length 14.5
  Top Layer w0.152: U4.8 78.843,59.079 79.756,58.166 89.281,58.166 89.901,57.546 J1.1
NetJ1_2: J1.2 U4.9 | length 16.1
  Top Layer w0.152: U4.9 90.59,59.778 91.901,58.467 J1.2
NetJ1_3: J1.3 U4.10 | length 18
  Top Layer w0.152: U4.10 92.38,60.528 93.901,59.007 J1.3
NetJ1_4: J1.4 U4.11 | length 19.9
  Top Layer w0.152: U4.11 93.404,61.028 95.901,58.531 J1.4
NetJ1_5: J1.5 U4.12 | length 21.9
  Top Layer w0.152: U4.12 94.555,61.528 97.901,58.182 J1.5
NetJ1_6: J1.6 U4.14 | length 24.4
  Top Layer w0.152: U4.14 95.587,62.528 99.901,58.214 J1.6
NetR5_1: R5.1 U1.1 U4.23 | length 14.1
  Top Layer w0.152: R5.1 v1(75.511,72.844) 75.946,73.279 75.946,74.274 U1.1@75.987,74.315 ; U4.23 77.343,67.945 v1(78.105,68.707)
  Bottom Layer w0.152: v1(75.511,72.844) 75.511,70.285 77.089,68.707 v1(78.105,68.707)
NetR6_1: R6.1 U1.4 U4.24 | length 12.8
  Top Layer w0.152: v1(76.835,70.104) 76.839,70.1 76.839,65.282 U4.24 ; U1.4@77.937,74.315 77.937,73.193 v1(78.359,72.771) R6.1
  Bottom Layer w0.152: v1(76.835,70.104) 78.359,71.628 v1(78.359,72.771)
NetR8_2: R8.2 U4.35 | length 10.6
  Top Layer w0.152: R8.2 71.247,55.245 70.739,55.753 70.739,60.579 71.188,61.028 U4.35
NRST: P1.1 R7.1 U4.4 | length 36.9
  Top Layer w0.152: v1(60.833,69.215) 61.468,69.85 P1.1 63.119,69.887 R7.1 ; v1(72.263,56.388) 74.549,56.388 76.843,58.682 U4.4
  Bottom Layer w0.152: v1(60.833,69.215) 60.833,61.468 65.913,56.388 v1(72.263,56.388)
SWCLK: P1.2 U4.28 | length 10.7
  Top Layer w0.152: P1.2 69.85,69.85 v1(70.358,69.342) ; v1(70.358,67.691) 73.521,64.528 U4.28
  Bottom Layer w0.152: v1(70.358,67.691) v1(70.358,69.342)
SWDIO: P1.4 U4.25 | length 12.5
  Top Layer w0.152: P1.4 73.152,68.58 73.533,68.961 75.311,68.961 76.343,67.929 U4.25
UART_RX: P2.2 U4.22 | length 12
  Top Layer w0.152: U4.22 77.843,67.175 80.01,69.342 84.582,69.342 P2.2
UART_TX: P2.3 U4.21 | length 10
  Top Layer w0.152: U4.21 78.343,66.405 80.518,68.58 P2.3
VBAT_D: C16.2 C17.2 D3.K U5.1 | length 18.2
  Top Layer w0.254: D3.K 116.332,90.678 117.094,91.44 C17.2 C16.2 122.555,92.329 123.063,91.821 U5.1
VBAT_F: C13.2 C14.2 C18.2 C19.2 D4.A L1.1 U6.4 U6.5 | length 4.9
  Top Layer w0.254: U6.5 145.796,83.185 ; 146.558,83.947 146.746,83.759 U6.4
pads on no net: J1.MP1 J1.MP2 P1.3 P1.9 P1.10 P4.1 P4.PEG U4.2 U4.3 U4.13 U4.17 U4.20 U4.29 U4.32 U4.33 U4.37 U7.4

## Polygon pours and split planes (outlines as drawn)
0V on Top Layer "5V_TOP_1" (solid, remove dead copper, pour order 3): 58.166,101.092 cw(c60.706,101.092) 60.706,103.632 152.146,103.632 cw(c152.146,101.092) 154.686,101.092 154.686,48.387 cw(c152.146,48.387) 152.146,45.847 60.706,45.847 cw(c60.706,48.387) 58.166,48.387 58.166,50.927
5V on Top Layer "5V_TOP_1" (solid, pour order 1): 136.926,75.363 136.799,75.49 136.799,82.983 137.053,83.237 139.085,83.237 139.212,83.11 139.212,75.363
VBAT_F on Top Layer "5V_TOP_1" (solid, pour order 0): 142.621,86.995 143.129,86.487 143.129,83.185 144.018,82.296 148.971,82.296 149.225,82.55 149.225,91.567 148.844,91.948 143.002,91.948 142.621,91.567
0V on Bottom Layer "5V_TOP_1" (solid, remove dead copper, pour order 2): 58.166,101.092 cw(c60.706,101.092) 60.706,103.632 152.146,103.632 cw(c152.146,101.092) 154.686,101.092 154.686,48.387 cw(c152.146,48.387) 152.146,45.847 60.706,45.847 cw(c60.706,48.387) 58.166,48.387 58.166,50.927

## Silkscreen, mask and mechanical layers (free items; w line width, h text height)
Top Overlay:
  drawing of 20 lines, arcs and shapes, not listed
  text "BUTTONS" at 100.449,81.034 h1.5
  text "5V" at 149.344,77.478 h1.5
  text "UART" at 84.367,76.072 h1.5
  text "3V3" at 126.865,65.159 h1.5
  text "JTAG" at 63.362,59.19 h1.5
  text "SCREEN" at 106.799,57.158 h1.5
  text "BOOT" at 74.435,49.466 h1.5
  text "Dashboard C1" at 114.529,49.387 h1.5
  text "31/07/2024" at 114.529,48.117 h1.5
  text "PC13" at 85.717,47.617 h1.5 r90
  text "L.D" at 114.529,46.847 h1.5
Bottom Overlay:
  circle w0.254: c63.373,51.054 r5
  circle w0.254: c149.606,51.054 r5
  circle w0.254: c149.606,98.425 r5
  circle w0.254: c63.373,98.425 r5
Mechanical 1:
  lines w0.254: 60.579,45.832 152.273,45.847 ccw(c152.273,48.26) 154.686,48.26 154.77,100.961 ccw(c152.029,100.961) 152.029,103.703 60.579,103.63 ; 60.579,45.847 cw(c60.579,48.26) 58.166,48.26 58.166,101.219 cw(c60.579,101.219) 60.579,103.632

## Text inside footprints (layer, text, board x,y; h text height)
C17: Top Overlay "+" at 121.031,93.853 h1.52 r270